# Altium PCB ESP_MusicToy.PcbDoc (part 1 of 2) (continued)
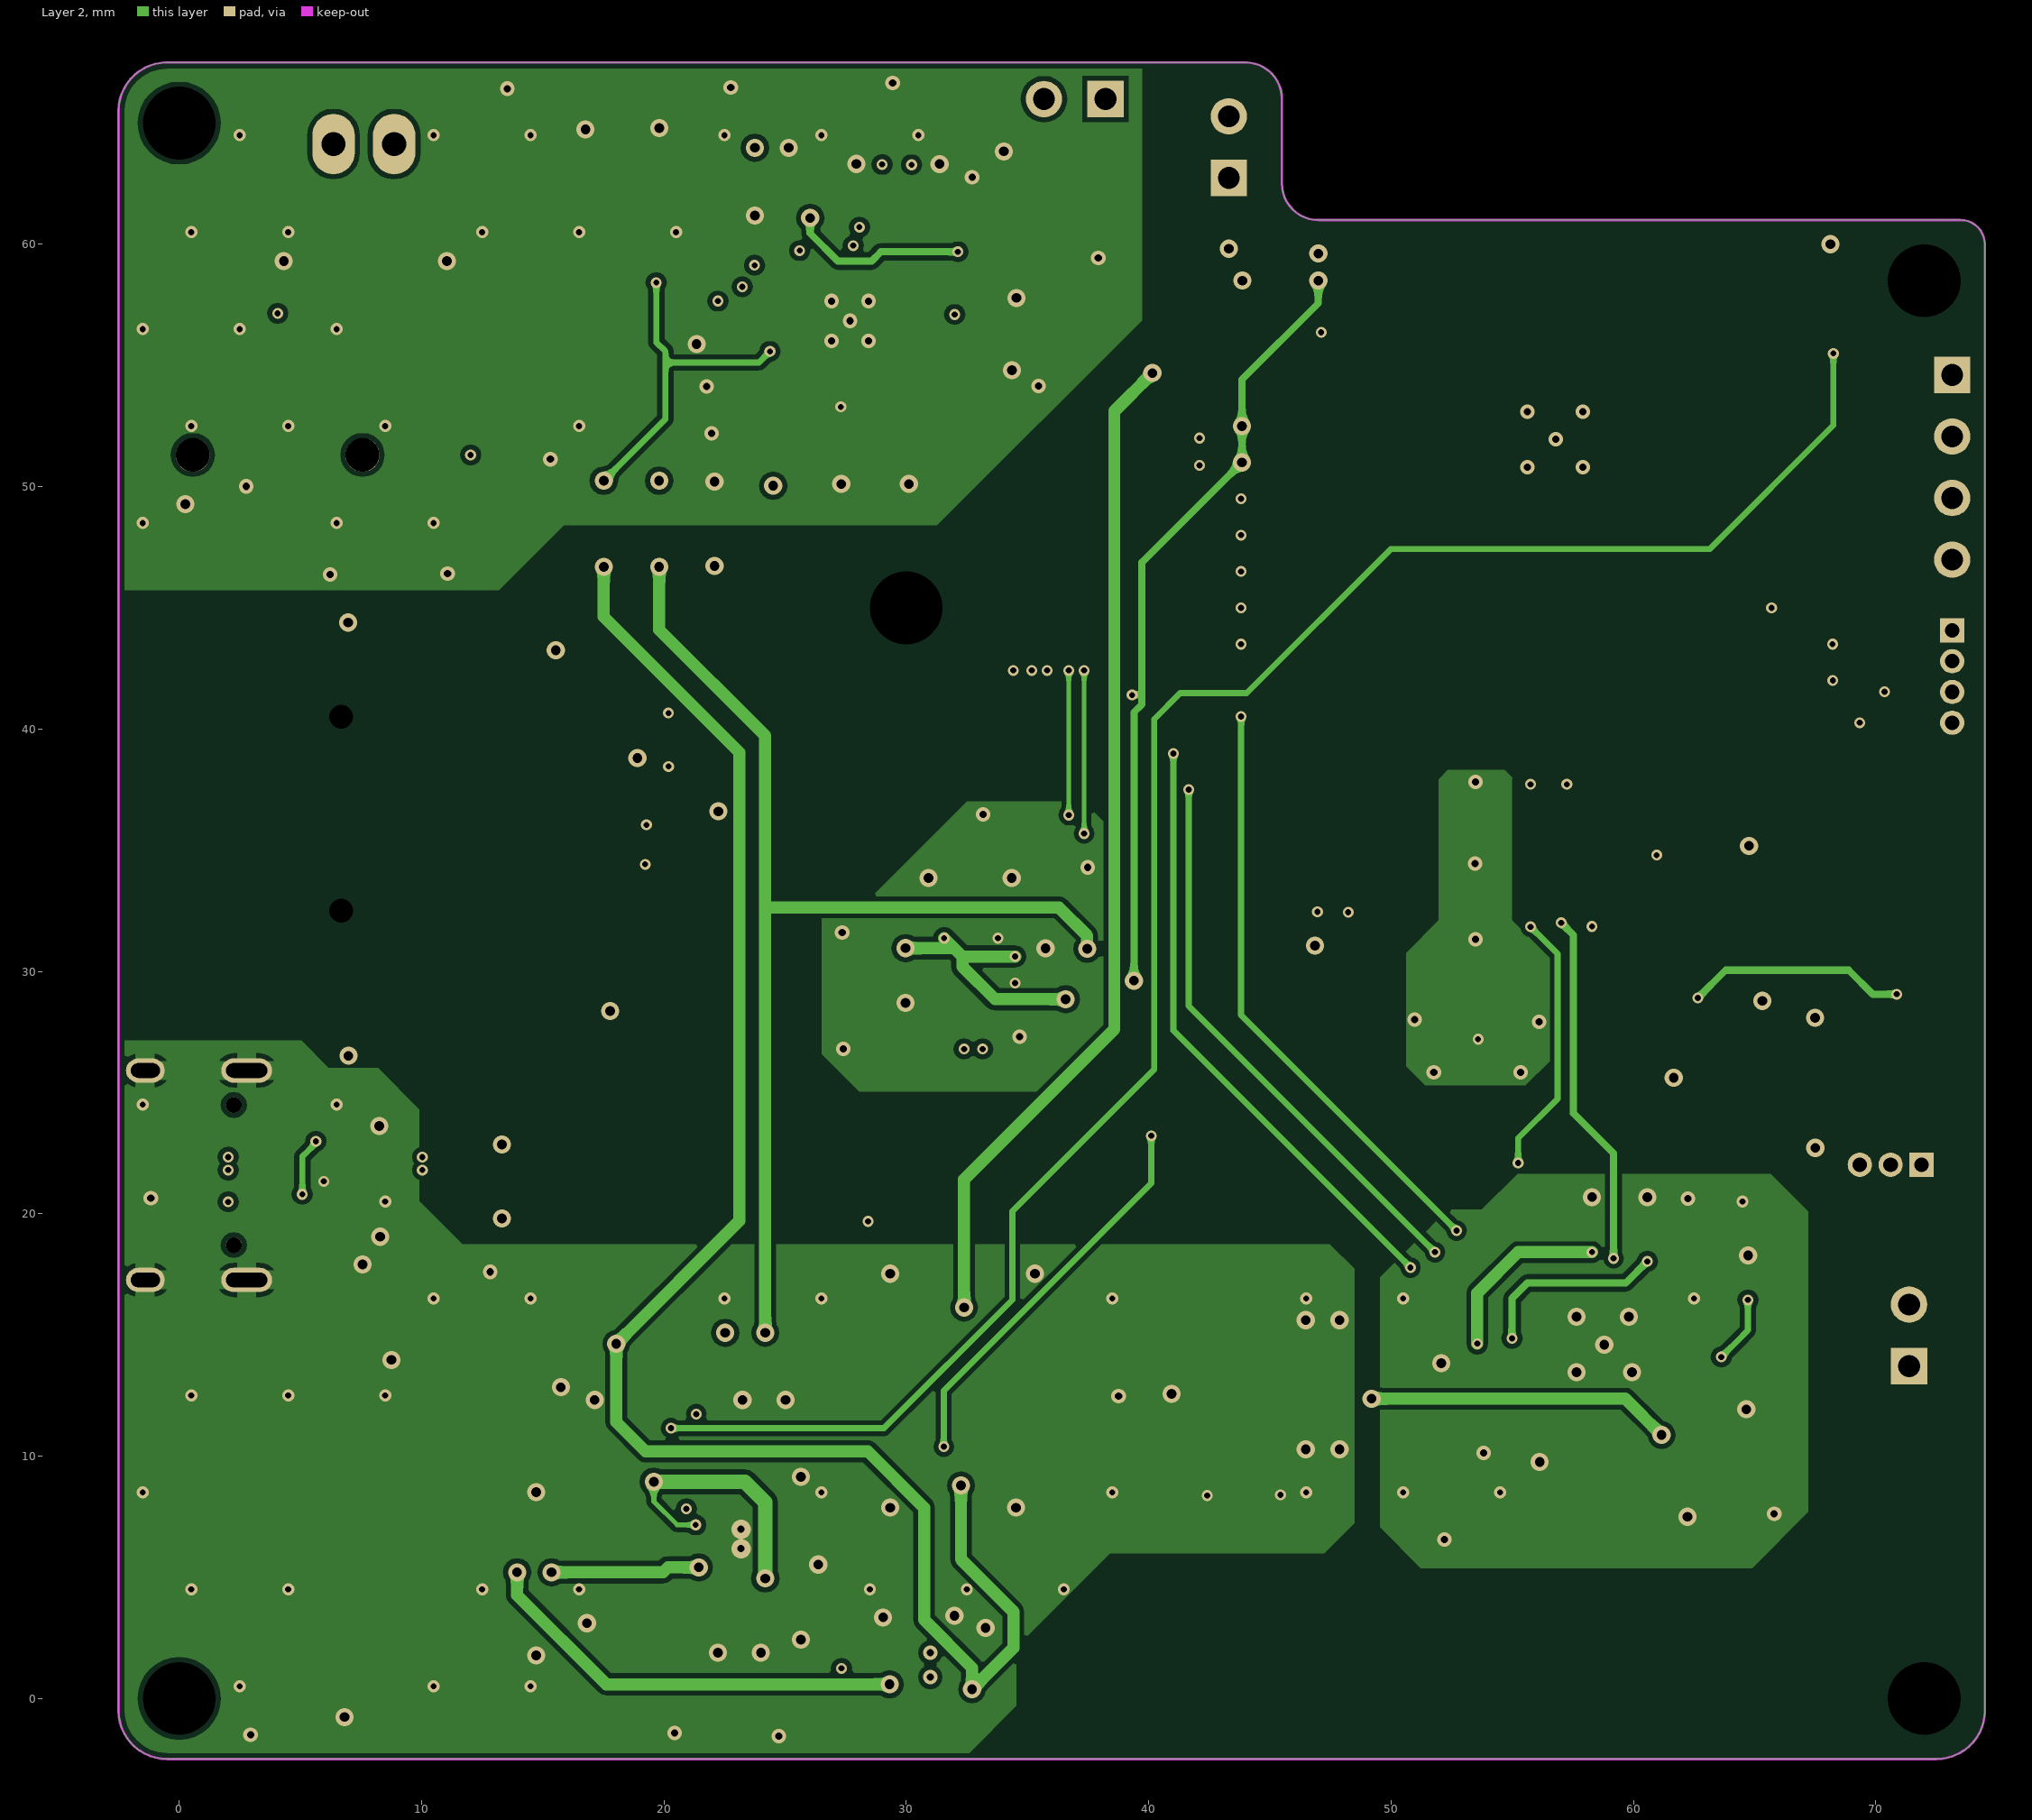
[diagram p3: Layer 2]
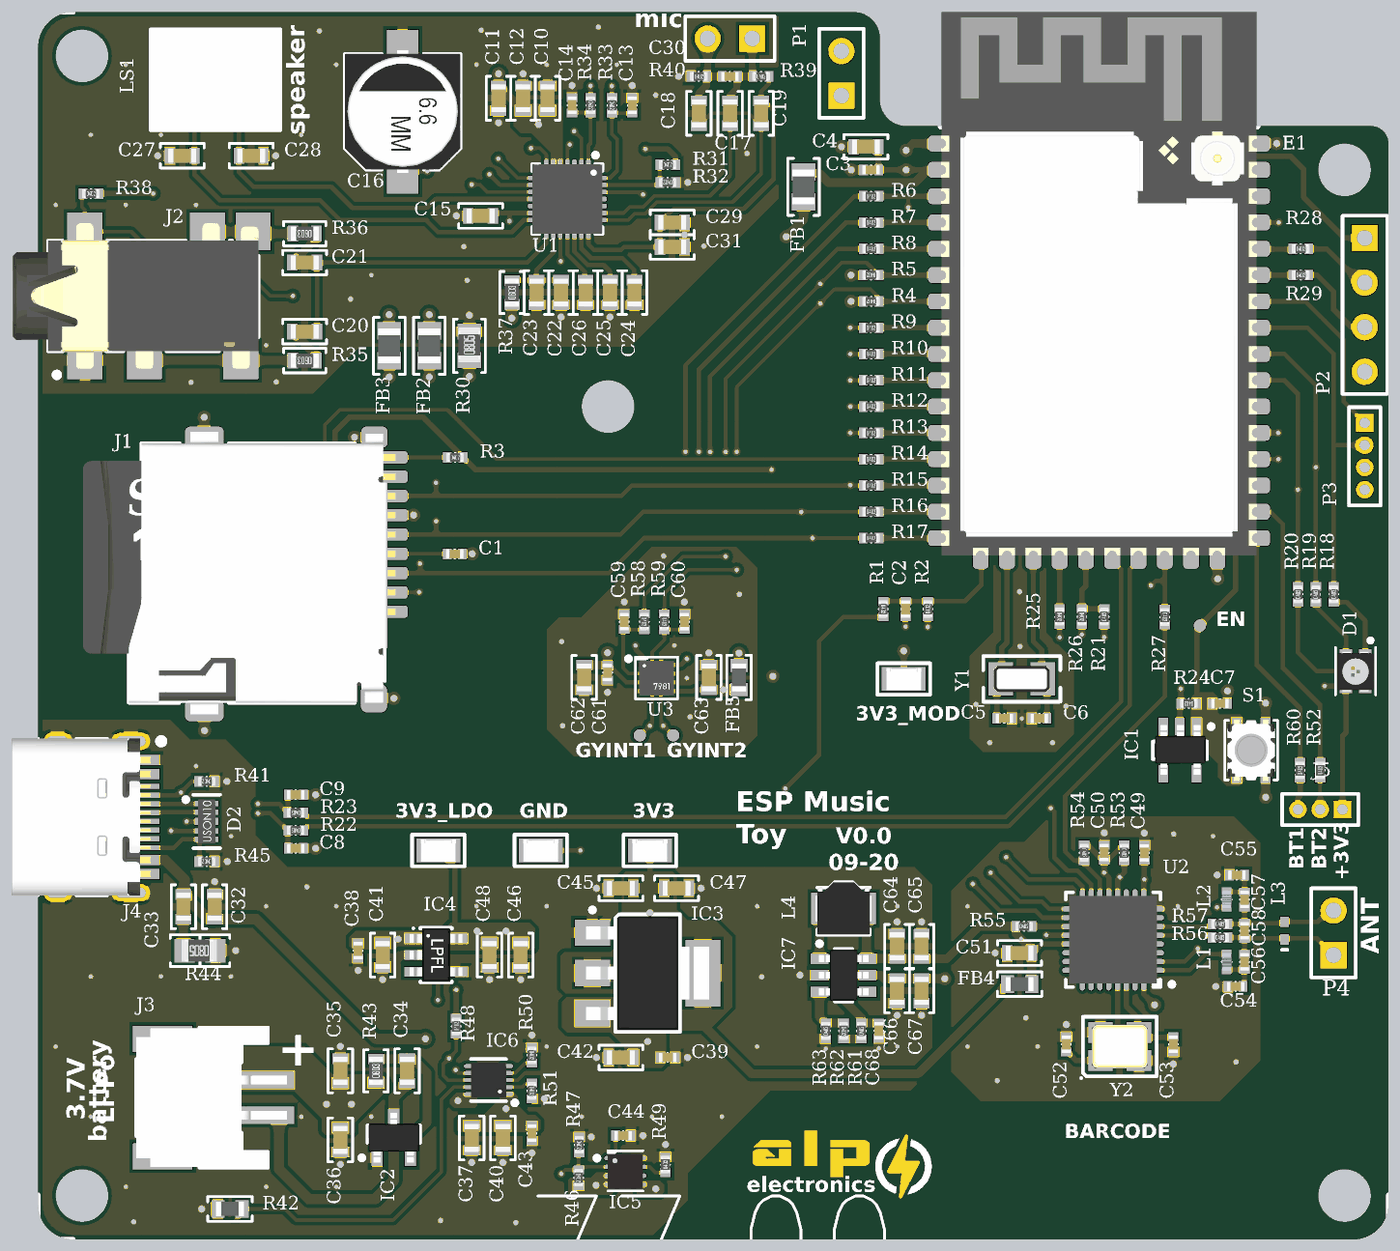
[diagram p5: 3D render of the assembled board from above, using the file's embedded part models]

## Layer stack, top to bottom
Top Solder: solder mask 0.0102, Solder Resist, Dk 3.5
Top Layer: signal copper 0.0356
Dielectric 2: prepreg 0.0711, PP-006, Dk 4.1
Layer 1: plane copper 0.035, net (Multiple Nets)
Dielectric 1: dielectric 1.3, FR-4, Dk 4.8
Layer 2: signal copper 0.035
Dielectric 3: prepreg 0.0711, PP-006, Dk 4.1
Bottom Layer: signal copper 0.0356
Bottom Solder: solder mask 0.0102, Solder Resist, Dk 3.5

## Board outline
-2.5,-0.5 -2.5,0.04 -2.5,65.5 cw(c-0.5,65.5) -0.5,67.5 44,67.5 cw(c44,66) 45.5,66 45.5,62.5 ccw(c47,62.5) 47,61 73.5,61 cw(c73.5,60) 74.5,60 74.5,20.5 74.5,0.5 74.5,-0.5 cw(c72.5,-0.5) 72.5,-2.5 -0.5,-2.5 cw(c-0.5,-0.5)

## Design rules (kind name [scope] priority, off if disabled: settings)
BoardOutlineClearance [All] p1: gap=0.2 ignorepadtopadclearanceinfootprint=FALSE except(0.4: Arc-CutoutEdge Track-CutoutEdge SMDPad-CutoutEdge THPad-CutoutEdge Via-CutoutEdge Fill-CutoutEdge Poly-CutoutEdge Region-CutoutEdge)
Clearance Clearance_1 [InPolygon] p1: gap=0.2 ignorepadtopadclearanceinfootprint=FALSE
Clearance [All] p2: gap=0.089 ignorepadtopadclearanceinfootprint=FALSE
ComponentClearance [All] p1: gap=0.154 collisioncheckmode=3 verticalgap=0.254 showdistances=FALSE
DiffPairsRouting [All] p1: maxlimit=0.254 minlimit=0.254 mostfreqgap=0.254 toplayer_minwidth=0.089 toplayer_maxwidth=0.381 toplayer_prefwidth=0.381 midlayer2_minwidth=0.089 midlayer2_maxwidth=0.381 midlayer2_prefwidth=0.381 bottomlayer_minwidth=0.089 bottomlayer_maxwidth=0.381 bottomlayer_prefwidth=0.381 maxuncoupledlength=12.7
HoleSize [All] p1: absolutevalues=TRUE maxlimit=2.54 minlimit=0.2 maxpercent=80.000 minpercent=20.000
HoleToHoleClearance [All] p1: gap=0.54 allowstackedmicrovias=TRUE
MatchedLengths MatchLengths_xSignals_J4_E1 [InxSignalClass('xSignals_J4_E1_MatchLengthsClass')] p1: tolerance=2.54 checknetsindiffpair=FALSE checkdiffpairvsdiffpair=TRUE checkxsignals=TRUE checkothers=TRUE
MinimumAnnularRing [All] p1: minimumring=0.13
PlaneClearance [All] p1: clearance=0.3
PlaneConnect [All] p1: pad.planeconnectstyle=Relief pad.reliefexpansion=0.5 pad.reliefentries=4 pad.reliefconductorwidth=0.4 pad.reliefairgap=0.2 via.planeconnectstyle=Direct via.reliefexpansion=0.508 via.reliefentries=4 via.reliefconductorwidth=0.254 via.reliefairgap=0.254
PolygonConnect [All] p1: thpad.connectstyle=Relief thpad.reliefconductorwidth=0.8 thpad.reliefentries=4 thpad.polygonreliefangle="90 Angle" thpad.airgapwidth=0.2 smdpad.connectstyle=Relief smdpad.reliefconductorwidth=0.6 smdpad.reliefentries=4 smdpad.polygonreliefangle="90 Angle" smdpad.airgapwidth=0.22 via.connectstyle=Direct via.reliefconductorwidth=0.254 via.reliefentries=4 via.polygonreliefangle="90 Angle" via.airgapwidth=0.254
RoutingVias [All] p1: holewidth=0.3 width=0.6 viastyle="Through Hole" minholewidth=0.2 minwidth=0.45 maxholewidth=2 maxwidth=3
SilkToSilkClearance [All] p1: silktosilkclearance=0.15
SolderMaskExpansion [All] p1: expansion=0.05 istentingtop=FALSE
Width [All] p1: maxlimit=2 minlimit=0.089 preferedwidth=0.25
23 further rules are at their usual default settings.

## Classes and differential pairs
differential pair class DIFF_USB: M_USBD USBD
component class "[06] Gyroscope": C59 C60 C61 C62 C63 FB5 GYINT1 GYINT2 R58 R59 U3
component class "[05] NFC": C49 C50 C51 C52 C53 C54 C55 C56 C57 C58 C64 C65 C66 C67 C68 FB4 IC7 L1 L2 L3 L4 P4 R53 R54 R55 R56 R57 R61 R62 R63 U2 Y2
component class "[04] Power & Battery": 3V3 3V3_LDO BAT C32 C33 C34 C35 C36 C37 C38 C39 C40 C41 C42 C43 C44 C45 C46 C47 C48 CHG D2 FUSE_EN GND IC2 IC3 IC4 IC5 IC6 J3 J4 LDO_EN R41 R42 R43 R44 R45 R46 R47 R48 R49 R50 R51 VBAT
component class "[03] Codec": 90 AVDD C10 C11 C12 C13 C14 C15 C16 C17 C18 C19 C20 C21 C22 C23 C24 C25 C26 C27 C28 C29 C30 C31 C_GPIO1 C_GPIO2 DIN1 DOUT1 FB2 FB3 J2 LRCLK1 LS1 MCLK1 MIC R30 R31 R32 R33 R34 R35 R36 R37 R38 R39 R40 SCLK1 SPKVDD U1
component class "[02] ESP32-S2 Module": 3V3_MOD C1 C2 C3 C4 C5 C6 C7 C8 C9 CLK D1 E1 EN FB1 IC1 J1 J5 MISO MOSI NFC_CS NFCIRIN NFCIRO P1 P2 P3 R1 R2 R3 R4 R5 R6 R7 R8 R9 R10 R11 R12 R13 R14 R15 R16 R17 R18 R19 R20 R21 R22 R23 R24 R25 R26 R27 R28 R29 R52 R60 S1 SCK SD_CS SDA Y1
differential pair M_USBD: +M_USBD_P -M_USBD_N
differential pair USBD: +USBD_P -USBD_N

## Components (designator, comment, footprint, x,y, rotation, side; value= is the part's Value field where it differs from the comment)
3V3 "RCT-0C" "TE TP 0805" 32.385,19.685 r0 top
3V3_LDO "RCT-0C" "TE TP 0805" 20.32,19.685 r0 top
3V3_MOD "RCT-0C" "TE TP 0805" 46.863,29.464 r0 top
AVDD "RCT-0C" 0.5mm-TestPad 18.796,52.578 r90 bottom
BAT "RCT-0C" 0.5mm-TestPad 15.748,9.296 r180 bottom
C1 "0.1uF" "CAP 0402/1005" 21.26,36.601 r180 top
C2 "0.1uF" "CAP 0402/1005" 46.965,33.452 r90 top
C3 "0.1uF" "CAP 0402/1005" 45,58.5 r0 top
C4 "22uF" "CAP 0603/1608" 44.704,59.817 r0 top
C5 "12pF" "CAP 0402/1005" 52.594,27.214 r180 top
C6 "12pF" "CAP 0402/1005" 54.594,27.214 r0 top
C7 "0.1uF" "CAP 0402/1005" 64.897,28.067 r180 top
C8 "20pF" "CAP 0402/1005" 12.192,19.806 r0 top
C9 "20pF" "CAP 0402/1005" 12.192,22.86 r180 top
C10 "0.1uF" "CAP 0603/1608" 26.548,62.585 r270 top
C11 "0.1uF" "CAP 0603/1608" 23.754,62.585 r90 top
C12 "10uF" "CAP 0603/1608" 25.151,62.585 r270 top
C13 "20pF" "CAP 0402/1005" 31.374,62.182 r90 top
C14 "20pF" "CAP 0402/1005" 27.945,62.185 r270 top
C15 "1uF" "CAP 0603/1608" 22.733,55.88 r180 top
C16 "220uF" "CAP ALUM 6.6MM" 18.288,61.82 r90 top
C17 "1uF" "CAP 0603/1608" 36.957,61.722 r270 top
C18 "1uF" "CAP 0603/1608" 35.179,61.722 r270 top
C19 "1uF" "CAP 0603/1608" 38.735,61.722 r270 top
C20 "22uF" "CAP 0603/1608" 12.7,49.276 r180 top
C21 "22uF" "CAP 0603/1608" 12.7,53.213 r180 top
C22 "10uF" "CAP 0603/1608" 27.317,51.506 r270 top
C23 "0.1uF" "CAP 0603/1608" 25.92,51.506 r90 top
C24 "4.7uF" "CAP 0603/1608" 31.508,51.506 r270 top
C25 "10uF" "CAP 0603/1608" 30.111,51.506 r270 top
C26 "10uF" "CAP 0603/1608" 28.714,51.506 r270 top
C27 "1000pF" "CAP 0603/1608" 5.715,59.309 r180 top
C28 "1000pF" "CAP 0603/1608" 9.652,59.309 r180 top
C29 "10uF" "CAP 0603/1608" 33.66,55.504 r180 top
C30 "100pF" "CAP 0402/1005" 36.95,63.833 r0 top
C31 "0.1uF" "CAP 0603/1608" 33.66,54.107 r180 top
C32 "1uF" "CAP 0603/1608" 7.564,16.473 r90 top
C33 "4.7uF" "CAP 0603/1608" 5.786,16.473 r90 top
C34 "0.1uF" "CAP 0603/1608" 18.542,7.112 r270 top
C35 "10uF" "CAP 0603/1608" 14.732,7.112 r270 top
C36 "1uF" "CAP 0603/1608" 14.732,3.175 r270 top
C37 "1uF" "CAP 0603/1608" 22.225,3.283 r270 top
C38 "0.1uF" "CAP 0402/1005" 15.748,13.97 r90 top
C39 "0.1uF" "CAP 0402/1005" 33.401,7.874 r180 top
C40 "10uF" "CAP 0603/1608" 24.003,3.283 r90 top
C41 "10uF" "CAP 0603/1608" 17.145,13.716 r90 top
C42 "10uF" "CAP 0603/1608" 30.734,7.874 r0 top
C43 "0.1uF" "CAP 0402/1005" 25.654,3.556 r90 top
C44 "3300pF" "CAP 0402/1005" 30.861,3.417 r180 top
C45 "22uF" "CAP 0603/1608" 30.734,17.526 r0 top
C46 "22uF" "CAP 0603/1608" 25.019,13.716 r90 top
C47 "22uF" "CAP 0603/1608" 33.909,17.526 r180 top
C48 "22uF" "CAP 0603/1608" 23.241,13.716 r90 top
C49 "1000pF" "CAP 0402/1005" 60.579,19.55 r270 top
C50 "0.1uF" "CAP 0402/1005" 58.293,19.558 r270 top
C51 "10uF" "CAP 0603/1608" 53.467,13.835 r0 top
C52 "10pF" "CAP 0402/1005" 56.134,8.628 r90 top
C53 "10pF" "CAP 0402/1005" 62.23,8.628 r90 top
C54 "220pF" "CAP 0402/1005" 65.786,11.93 r0 top
C55 "220pF" "CAP 0402/1005" 65.862,18.28 r180 top
C56 "43pF" "CAP 0402/1005" 66.294,13.327 r90 top
C57 "43pF" "CAP 0402/1005" 66.294,16.883 r270 top
C58 "100pF" "CAP 0402/1005" 66.294,15.105 r270 top
C59 "20pF" "CAP 0402/1005" 30.921,32.726 r90 top
C60 "20pF" "CAP 0402/1005" 34.35,32.726 r270 top
C61 "0.1uF" "CAP 0402/1005" 29.972,29.829 r90 top
C62 "1uF" "CAP 0603/1608" 28.635,29.551 r90 top
C63 "10uF" "CAP 0603/1608" 35.747,29.551 r270 top
C64 "10uF" "CAP 0603/1608" 46.482,14.216 r270 top
C65 "1uF" "CAP 0603/1608" 47.879,14.216 r270 top
C66 "1uF" "CAP 0603/1608" 46.482,11.676 r90 top
C67 "10uF" "CAP 0603/1608" 47.879,11.676 r90 top
C68 "0.1uF" "CAP 0402/1005" 45.441,9.398 r90 top
C_GPIO1 "RCT-0C" 0.5mm-TestPad 31.235,57.356 r90 bottom
C_GPIO2 "RCT-0C" 0.5mm-TestPad 26.924,59.817 r90 bottom
CHG "RCT-0C" 0.5mm-TestPad 20.599,7.137 r90 bottom
CLK "RCT-0C" 0.5mm-TestPad 20.193,37.701 r180 bottom
D1 "FM-B2020RGBA-HG" FM-B2020RGBA-HG 73.177,30.759 r90 top value=Green
D2 "MKT642U05" "TI USON-10 DQA" 7.112,21.336 r0 top
DIN1 "RCT-0C" 0.5mm-TestPad 23.107,56.594 r90 bottom
DOUT1 "RCT-0C" 0.5mm-TestPad 24.377,58.626 r90 bottom
E1 "ESP32-S2-WROVER Module" ESP32-S2-WROVER 58,52 r0 top
EN "RCT-0C" 0.5mm-TestPad 63.754,32.512 r0 top
FB1 "100 Ohm @ 100MHz" "FER 0805/2012" 41.148,57.531 r90 top
FB2 "100 Ohm @ 100MHz" "FER 0805/2012" 19.805,48.466 r90 top
FB3 "180 Ohm @ 100MHz" "FER 0805/2012" 17.519,48.466 r90 top
FB4 "100 Ohm @ 100MHz" "FER 0603/1608" 53.467,12.057 r0 top
FB5 "100 Ohm @ 100MHz" "FER 0603/1608" 37.465,29.551 r270 top
FUSE_EN "RCT-0C" 0.5mm-TestPad 27.356,1.981 r90 bottom
GND "RCT-0C" "TE TP 0805" 26.162,19.685 r0 top
GYINT1 "RCT-0C" 0.5mm-TestPad 31.81,26.249 r90 top
GYINT2 "RCT-0C" 0.5mm-TestPad 33.715,26.249 r90 top
IC1 "BD4830G-TR" "TI SOT-23-5 DBV" 62.611,25.4 r270 top
IC2 "XYSEMI XB3306A" "DIODES SOT-23-3" 17.78,3.302 r90 top
IC3 "NCP1117LPST33T3G" "ON SEMI SOT-223 ST(318H)" 32.258,12.689 r0 top
IC4 "HX9193-33GB" DBV005 20.193,13.716 r270 top
IC5 "TI TPS259531DSGR" "TI WSON-8 DSG 2x2MM" 30.988,1.385 r0 top
IC6 "BQ24040DSQT" "TI PWSON-10 DSQ" 23.183,6.585 r180 top
IC7 "FP6715" "ATMEL SOT-23-6 6ST1" 43.434,12.565 r0 top
J1 "TF PUSH" TF-PUSH 9.144,35.687 r90 top
J2 "PJ-3420-A-SMT" PJ-3420-A-SMT 4.064,51.308 r0 top
J3 "A2001WR-S-2P" "JST S2B-PH-SM4-TB" 6.096,5.588 r90 top
J4 "HIRO TYPE-C-31-M-12" "HIRO TYPE-C-31-M-12" 2.286,21.59 r270 top locked
J5 "MHDR1X3" MHDR1X3 71.882,22.022 r180 top
L1 "56nH" "IND 0402/1005 RF WW" 65.278,13.327 r270 top
L2 "56nH" "IND 0402/1005 RF WW" 65.278,16.883 r90 top
L3 "PCB ANT" 0402-A 68.58,15.113 r90 top value=10mH
L4 "4.7uH" "TDK SPM3012" 43.434,16.375 r180 top
LDO_EN "RCT-0C" 0.5mm-TestPad 19.609,11.684 r90 bottom
LRCLK1 "RCT-0C" 0.5mm-TestPad 24.377,57.61 r90 bottom
LS1 "Speaker" "JST XH B2B-XH-A" 7.62,64.135 r0 top
MCLK1 "RCT-0C" 0.5mm-TestPad 26.924,60.833 r90 bottom
mic "Mic1" HDR1X2 38.22,65.992 r180 top (schematic designator MK1)
MISO "RCT-0C" 0.5mm-TestPad 20.193,39.901 r90 bottom
MOSI "RCT-0C" 0.5mm-TestPad 20.193,35.509 r90 bottom
NFC_CS "RCT-0C" 0.5mm-TestPad 55.753,38.481 r90 bottom
NFCIRIN "RCT-0C" 0.5mm-TestPad 57.277,38.481 r90 bottom
NFCIRO "RCT-0C" 0.5mm-TestPad 61.722,34.163 r90 bottom
P1 "Boot Option" HDR1X2 43.307,62.738 r90 top
P2 "Header 4" HDR1X4 73.152,54.61 r270 top
P3 "MHDR1X4" MHDR1X4 73.152,44.069 r270 top
P4 "Header 2" HDR1X2 71.374,13.716 r90 top
R1 "10k" "RES 0402/1005" 45.695,33.452 r270 top
R2 "10k" "RES 0402/1005" 48.235,33.452 r90 top
R3 "47k" "RES 0402/1005" 21.278,42.101 r0 top
R4 "2k" "RES 0402/1005" 45,51 r180 top
R5 "2k" "RES 0402/1005" 45,52.5 r180 top
R6 "33" "RES 0402/1005" 45,57 r0 top
R7 "33" "RES 0402/1005" 45,55.5 r0 top
R8 "33" "RES 0402/1005" 45,54 r0 top
R9 "33" "RES 0402/1005" 45,49.5 r0 top
R10 "33" "RES 0402/1005" 45,48 r0 top
R11 "33" "RES 0402/1005" 45,46.5 r0 top
R12 "33" "RES 0402/1005" 45,45 r0 top
R13 "33" "RES 0402/1005" 45,43.5 r0 top
R14 "33" "RES 0402/1005" 45,42 r0 top
R15 "33" "RES 0402/1005" 45,40.5 r0 top
R16 "33" "RES 0402/1005" 45,39 r0 top
R17 "33" "RES 0402/1005" 45,37.5 r0 top
R18 "360" "RES 0402/1005" 71.374,34.29 r90 top
R19 "150" "RES 0402/1005" 70.358,34.29 r90 top
R20 "150" "RES 0402/1005" 69.342,34.29 r90 top
R21 "10k" "RES 0402/1005" 58.293,33.02 r90 top
R22 "0.0" "RES 0402/1005" 12.192,20.822 r180 top
R23 "0.0" "RES 0402/1005" 12.192,21.838 r180 top
R24 "10k" "RES 0402/1005" 63.119,28.067 r180 top
R25 "33" "RES 0402/1005" 55.753,33.02 r270 top
R26 "33" "RES 0402/1005" 57.023,33.02 r270 top
R27 "33" "RES 0402/1005" 61.75,33 r270 top
R28 "499" "RES 0402/1005" 69.5,54 r0 top
R29 "499" "RES 0402/1005" 69.5,52.5 r0 top
R30 "0.0" "RES 0805/2012" 22.091,48.466 r90 top
R31 "10k" "RES 0402/1005" 33.401,58.801 r0 top
R32 "10k" "RES 0402/1005" 33.401,57.785 r180 top
R33 "33" "RES 0402/1005" 30.219,62.182 r270 top
R34 "33" "RES 0402/1005" 29.004,62.185 r270 top
R35 "22" "RES 0603/1608" 12.7,47.625 r180 top
R36 "22" "RES 0603/1608" 12.7,54.864 r180 top
R37 "1" "RES 0603/1608" 24.523,51.506 r90 top
R38 "22.1k" "RES 0402/1005" 0.508,57.15 r0 top
R39 "2.2k" "RES 0402/1005" 38.728,63.833 r0 top
R40 "2.2k" "RES 0402/1005" 35.172,63.833 r0 top
R41 "5.1k" "RES 0402/1005" 7.112,23.622 r180 top
R42 "10k" "FER 0603/1608" 8.44,-0.762 r0 top
R43 "100" "RES 0603/1608" 16.764,7.112 r90 top
R44 "3.48 Ohms" "RES 0805_2012" 6.731,13.97 r180 top
R45 "5.1k" "RES 0402/1005" 7.112,19.05 r180 top
R46 "1M" "RES 0402/1005" 28.321,1.016 r270 top
R47 "576k" "RES 0402/1005" 28.346,2.896 r270 top
R48 "10k" "RES 0402/1005" 21.336,9.652 r90 top
R49 "1.8k" "RES 0402/1005" 33.274,1.766 r90 top
R50 "2k" "RES 0402/1005" 25.654,8.001 r270 top
R51 "1k" "RES 0402/1005" 25.654,5.969 r270 top
R52 "33" "RES 0402/1005" 70.612,24.257 r90 top
R53 "3.3k" "RES 0402/1005" 59.436,19.55 r270 top
R54 "3.3k" "RES 0402/1005" 57.15,19.55 r270 top
R55 "3.3k" "RES 0402/1005" 53.721,15.359 r0 top
R56 "330" "RES 0402/1005" 64.897,14.724 r0 top
R57 "330" "RES 0402/1005" 64.897,15.486 r0 top
R58 "33" "RES 0402/1005" 32.064,32.726 r270 top
R59 "33" "RES 0402/1005" 33.207,32.726 r270 top
R60 "33" "RES 0402/1005" 69.469,24.257 r90 top
R61 "523k" "RES 0402/1005" 44.45,9.39 r90 top
R62 "2k" "RES 0402/1005" 43.434,9.39 r270 top
R63 "100k" "RES 0402/1005" 42.418,9.39 r90 top
S1 "SKSGACE010" SKSGACE010 66.675,25.4 r90 top
SCK "RCT-0C" 0.5mm-TestPad 41.021,51.435 r180 bottom
SCLK1 "RCT-0C" 0.5mm-TestPad 24.562,59.766 r90 bottom
SD_CS "RCT-0C" 0.5mm-TestPad 20.193,34.417 r270 bottom
SDA "RCT-0C" 0.5mm-TestPad 41.021,52.578 r90 bottom
SPKVDD "RCT-0C" 0.5mm-TestPad 24.377,55.578 r90 bottom
U1 "ES8374" "QFN28 4x4mm 0.4mm Pitch" 27.679,56.84 r270 top
U2 "ST CR95HF" "ST VFQFPN-32" 58.801,14.597 r180 top
U3 "QMA7981" "LGA-12 2x2" 32.766,29.516 r0 top
VBAT "RCT-0C" 0.5mm-TestPad 18.034,16.027 r90 bottom
Y1 "32.768kHz" "ABRACON ABS07" 53.594,29.464 r180 top
Y2 "27.12MHz" "NDK NX3225SA" 59.182,8.501 r0 top

## Footprints (in the part's own frame and the unit in brackets; to place one, negate y for a bottom-side part, rotate by r counter-clockwise, add the part's x,y. Pads: shape width x height; smd on the part's side, far side on the other; paste and mask are expansions set on the pad)
0.5mm-TestPad [mm]
  round 0.7 smd: 1(0,0)
0402-A [mm] "Chip Inductor, Body 1.0x0.5mm, IPC High Density"
  rect 0.6x0.5 smd: 1(-0.5,0) 2(0.5,0)
  silkscreen extent -1.1,-0.15 -1.1,0.15, body extent -0.55,-0.3 0.55,0.3, height 0.55
"ABRACON ABS07" [mm] "Crystal, 2-Leads, Body 3.20x1.50mm, IPC Medium Density"
  rect 1.4x1.9 smd: 1(-1.2,0) 2(1.2,0)
  silkscreen extent -2.2,-1.3 2.2,1.3, body extent -1.62,-0.77 1.63,0.78, height 0.9
"ATMEL SOT-23-6 6ST1" [mm] "SOT23, 6-Leads, Body 2.90x2.80mm, Pitch 0.95mm, IPC Medium Density"
  rect 1x0.6 smd: 1(-1.375,0.95) 2(-1.375,0) 3(-1.375,-0.95) 4(1.375,-0.95) 5(1.375,0) 6(1.375,0.95)
  silkscreen extent -1.5,-1.5 0.5,1.92, body extent -1.41,-1.45 1.41,1.45, height 1.45
"CAP 0402/1005" [mm] "Chip Capacitor, 2-Leads, Body 1.02x0.51mm, IPC Medium Density"
  rect 0.5x0.6 smd: 1(-0.432,0) 2(0.432,0)
  silkscreen extent 0,-0.23 0,0.23, body extent -0.5,-0.26 0.5,0.26, height 0.52
"CAP 0603/1608" [mm] "Chip Capacitor, 2-Leads, Body 1.60x0.80mm, IPC Medium Density"
  rect 0.6x0.9 smd: 1(-0.7,0) 2(0.7,0)
  silkscreen extent -1.25,-0.7 1.25,0.7, body extent -0.8,-0.41 0.8,0.41, height 0.82
"CAP ALUM 6.6MM" [mm] "Aluminum Electrolytic Capacitor, Body 6.60x6.60x7.70mm, IPC Low Density"
  rect 3.45x1.8 smd: 1(-2.95,0) 2(2.95,0)
  silkscreen extent -3.3,-3.3 3.3,3.3, body extent -3.5,-3.3 3.5,3.3, height 7.7
DBV005 [mm] "SOT-23/SC-74A; 5 Leads; Body 3 x 3 mm, inc. leads (LxW max)"
  rect 0.55x1.45 smd: 1(-0.95,-1.075) 2(0,-1.075) 3(0.95,-1.075) 4(0.95,1.075) 5(-0.95,1.075)
  silkscreen extent -1.57,-1.35 1.55,0.9, body extent -1.52,-1.5 1.53,1.5, height 1.3
"DIODES SOT-23-3" [mm] "SOT23, 3-Leads, Body 2.90x2.40mm, Pitch 0.95mm, IPC Medium Density"
  rect 0.95x0.65 smd: 1(-1.15,0.95) 2(1.15,0) 3(-1.15,-0.95)
  silkscreen extent -1.27,-1.5 0.7,1.95, body extent -1.41,-1.45 1.41,1.45, height 1.5
ESP32-S2-WROVER [mm]
  rrect50% 1.5x0.9 smd: 1(-9,8) 2(-9,6.5) 3(-9,5) 4(-9,3.5) 5(-9,2) 6(-8.999,0.5) 7(-8.999,-1) 8(-9,-2.5) 9(-9,-4) 10(-9,-5.5) 11(-8.999,-7) 12(-9,-8.5) 13(-9,-10) 14(-9,-11.5) 15(-8.999,-13) 16(-9,-14.5) 27(8.993,-14.5) 28(8.993,-13) 29(8.993,-11.5) 30(8.993,-10) 31(8.993,-8.5) 32(8.993,-7) 33(8.993,-5.5) 34(8.993,-4) 35(8.993,-2.5) 36(8.993,-1) 37(8.993,0.5) 38(8.993,2) 39(8.993,3.5) 40(8.993,5) 41(8.993,6.5) 42(8.993,8)
  rrect50% 0.9x1.5 smd: 17(-6.75,-15.5) 18(-5.25,-15.5) 19(-3.75,-15.5) 20(-2.25,-15.5) 21(-0.75,-15.5) 22(0.75,-15.5) 23(2.25,-15.5) 24(3.75,-15.5) 25(5.25,-15.5) 26(6.75,-15.5)
  rect 4.1x4.1 smd: 43(-1.2,-0.05)
  silkscreen extent -9,-13.75 9,9, body extent -9,-15.5 8.99,15.5, height 2.9
"FER 0603/1608" [mm] "Chip Ferrite, 2-Leads, Body 1.60x0.80mm, IPC Medium Density"
  rect 0.75x1 smd: 1(-0.686,0) 2(0.686,0)
  silkscreen extent -1.27,-0.7 1.27,0.7, body extent -0.8,-0.41 0.8,0.41, height 0.82
"FER 0805/2012" [mm] "Chip Ferrite, 2-Leads, Body 2.00x1.20mm, IPC Medium Density"
  rect 1x1.35 smd: 1(-0.85,0) 2(0.85,0)
  silkscreen extent -1.63,-0.9 1.63,0.9, body extent -1,-0.64 1,0.64, height 1.26
FM-B2020RGBA-HG [mm] "2.1x2.1mm RGB Led"
  rect 0.8x0.7 smd: 1(0,0) 2(-1.7,0) 3(-1.7,1.1) 4(0,1.1)
  silkscreen extent -2.2,-0.6 1,1.7, body extent -2.02,-0.5 0.27,1.6, height 0.98
HDR1X2 [mm] "Connector; Header; 2 Position"
  rect 1.5x1.5 hole 0.9: 1(0,0)
  round 1.5 hole 0.9: 2(2.54,0)
  silkscreen extent -1.27,-1.27 3.81,1.27
HDR1X4 [mm] "Connector; Header; 4 Position"
  rect 1.5x1.5 hole 0.9: 1(0,0)
  round 1.5 hole 0.9: 2(2.54,0) 3(5.08,0) 4(7.62,0)
  silkscreen extent -1.27,-1.27 8.89,1.27
"HIRO TYPE-C-31-M-12" [mm] "Type C Female 16 8.94*7.3mm 12 Pin USB Connectors"